# Altium PCB PCB1.PcbDoc (part 2 of 2)
Units mil, origin at the board's own origin, x right, y up, seen from the top; angles counter-clockwise.
Board outline 5905.51 x 3937.01 mil, 4 copper layers (Top Layer, Mid-Layer 1, Mid-Layer 2, Bottom Layer); 107 components, 61 nets, 305 pads, 217 vias.
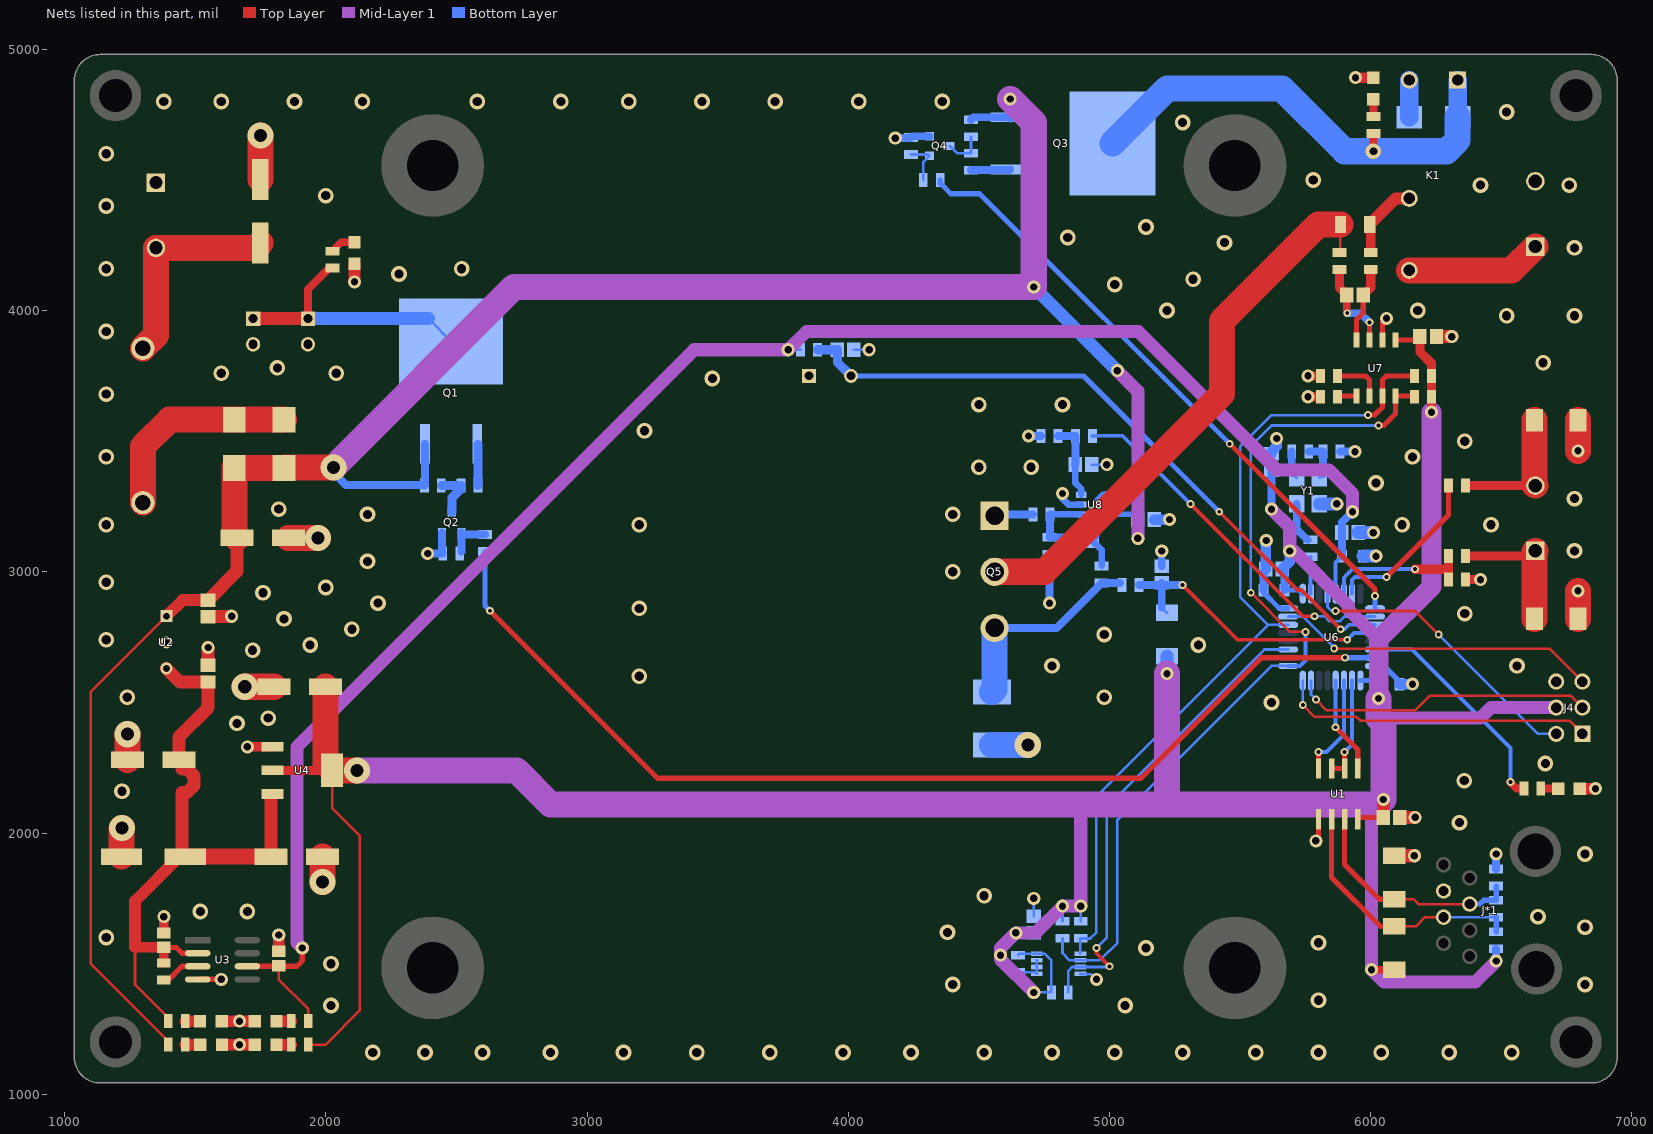
[diagram p4: the nets of this part, all layers, seen from the top]

## Via types
v1: diameter 60, hole 35, Top Layer to Bottom Layer, tented both sides, 118 vias
v2: diameter 50, hole 28, Top Layer to Bottom Layer, tented both sides, 60 vias
v3: diameter 30, hole 15, Top Layer to Bottom Layer, tented both sides, 29 vias
v4: diameter 100, hole 50, Top Layer to Bottom Layer, tented both sides, 9 vias
v5: diameter 60, hole 30, Top Layer to Bottom Layer, tented both sides, 1 vias

## Nets (pads, with @x,y where several pads share a name; then routed paths per layer and width w, separated by ;. In a path a pad name is that pad's centre, name@x,y a point inside that pad or via, vN(x,y) a via of type N, cw(c..) or ccw(c..) an arc to the next point about the centre after c; other vN are vias at no path point)
+3.3: C1.1 C11.2 C12.1 C13.1 C17.1 C18.1 C19.1 C21.2 D1.2 D?.2 J4.4 pad.8 R1.2 R7.2 R14.2 R17.2 R18.2 R19.2 R20.2 R27.2 R28.2 U1.8 U4.2 U4.4 U6.1 U6.17 U7.5 Y1.4 | length 13491.8
  Top Layer w10: R7.2@1932.48,1190 2000,1190 2130,1320 2130,1990 2024.17,2095.83 U4.4@2024.17,2240 U4.4@1998.43,2265.75 ; v4(2120,2240) v4@2130,2230 ; U1.8@5950,2052.95 U1.8@5957.05,2060 ; C21.2@6175.56,3887.28 C21.2@6188.28,3900
  Top Layer w20: U1.8@5957.05,2060 C1.1@6048.28,2060 ; U7.5@6095,3887.28 C21.2@6175.56,3887.28
  Top Layer w30: v2(6003.07,1476.93) D1.2@6090,1476.93
  Top Layer w34: U4.2@1795.83,2240 U4.4@2024.17,2240
  Top Layer w35: C21.2@6188.28,3900 6188.28,3841.72 6232.48,3797.52 R28.2@6232.48,3750 R27.2@6232.48,3670 v2(6232.48,3610.99)
  Top Layer w50: C1.1@6048.28,2060 v2(6048.28,2128.28)
  Top Layer w100: U4.4@1998.43,2265.75 C11.2@1998.43,2560 ; U4.4@2024.17,2240 v4(2120,2240)
  Mid-Layer 1 w50: v2(4710,1390) 4582.48,1517.52 v2(4582.48,1532.48) 4582.48,1559.03 v2(4641.72,1618.28) 4718.28,1618.28 v2(4820,1720) v2(4890,1720) 4890,2080 ; v2(5620,3240) 5690,3170 v2(5690,3080) 5705.71,3080 5915,2870.71 5915,2855 6030,2740 ; 6030,2440.71 6420.71,2440.71 6460,2480 J4.4@6710,2480 ; v2(6048.28,2128.28) 6018.28,2128.28 6003.07,2113.07 v2(6003.07,1476.93) 6050,1430 6400,1430 v2(6480,1510)
  Mid-Layer 1 w75: v2(6030,2515) 6030,2740 6232.48,2942.48 v2(6232.48,3610.99)
  Mid-Layer 1 w100: v4(2120,2240) 2730,2240 2860,2110 5220,2110 ; v2(5220,2610) 5220,2110 ; v2(6030,2515) 6030,2440.71 6048.28,2422.43 v2(6048.28,2128.28) 6030,2110 5220,2110
  Bottom Layer w10: v2(4641.72,1618.28) C13.1@4710,1618.28 ; R17.2@4650,1532.48 4655.91,1538.39 pad.8@4721.34,1538.39 4751.61,1538.39 4777.52,1512.48 R20.2@4777.52,1390 v2(4710,1390) ; R18.2@4820,1662.48 v2(4820,1720) ; R19.2@4890,1662.48 v2(4890,1720) ; Y1.4@5688.42,3388.28 5697.52,3379.17 Y1.4@5716.69,3360 ; C19.1@6015.98,2583.66 C19.1@6030,2569.65
  Bottom Layer w20: C18.1@5670.35,2930 5726.1,2930 U6.1@5739.76,2916.34 ; U6.17@5960.24,2583.66 C19.1@6015.98,2583.66
  Bottom Layer w30: v2(5620,3240) C12.1@5620,3388.28 Y1.4@5688.42,3388.28 ; C18.1@5670.35,2930 C17.1@5670.35,3010 ; Y1.4@5697.52,3379.17 R14.2@5697.52,3460 ; v2(6480,1510) R1.2@6480,1557.52
  Bottom Layer w35: v2(6030,2515) C19.1@6030,2569.65
  Bottom Layer w40: C17.1@5661.72,3010 5690,3038.28 v2(5690,3080)
  Bottom Layer w50: v2(5220,2610) D?.2@5220,2676.93
+5: C4.2 C5.2 C7.1 C8.2 C10.2 R4.2 R6.2 U2.3 U3.2 U4.3 | length 2652.7
  Top Layer w10: 1270.3,1562.44 1270,1562.74 1270,1420 1397.52,1292.48 R6.2@1397.52,1280 ; C4.2@1438.43,1933.62 C4.2@1462.05,1910 C4.2@1440,1910 ; U4.3@1790,2143.62 U4.3@1795.83,2149.45
  Top Layer w20: C8.2@1380,1562.44 1427.56,1562.44 1450,1540 U3.2@1510,1540
  Top Layer w35: R4.2@1380,1502.48 C8.2@1380,1562.44
  Top Layer w40: 1270.3,1562.44 C8.2@1380,1562.44
  Top Layer w45: 1270,1562.74 1270,1740 C4.2@1440,1910
  Top Layer w50: U2.3@1390,2630 1441.72,2578.28 C7.1@1550,2578.28 1550,2480 1438.43,2368.43 C5.2@1438.43,2280 1450,2268.43 1450,2245 1468.64,2245 1495,2218.64 1495,2181.36 1468.64,2155 1450,2155 1450,1922.05 C4.2@1462.05,1910 ; C10.2@1790,1910 U4.3@1790,2143.62
  Top Layer w60: C4.2@1462.05,1910 C10.2@1790,1910
+24: C3.2 C6.1 C22.1 D3.1 D4.1 Q1.3 Q3.3 R5.2 R9.2 R34.2 U2.1 U8.5 | length 8867.4
  Top Layer w10: U2.1@1390,2830 1100,2540 1100,1500 1397.52,1202.48 R5.2@1397.52,1190 ; D4.1@1840,3397.48 1857.48,3380 D4.1@1877.48,3400
  Top Layer w45: U2.1@1390,2830 1451.72,2891.72 C6.1@1550,2891.72
  Top Layer w50: C6.1@1550,2891.72 1660,3001.72 C3.2@1660,3130
  Top Layer w100: C3.2@1660,3130 1650,3140 D3.1@1650,3397.48 D4.1@1840,3397.48 ; D4.1@1842.52,3400 v4(2030,3400)
  Mid-Layer 1 w50: v2(5030,3770) 5108.28,3691.72 v2(5108.28,3128.28)
  Mid-Layer 1 w100: v4(2030,3400) 2720,4090 v2(4710,4090) 4710,4719.69 v2(4619.84,4809.84)
  Bottom Layer w10: v4@2030,3380 v4(2030,3400) ; C22.1@5088.28,3220 C22.1@5108.28,3200
  Bottom Layer w20: U8.5@5000,3220 C22.1@5088.28,3220
  Bottom Layer w30: v4@2030,3380 2077.52,3332.48 R9.2@2380,3332.48 ; R9.2@2377.52,3330 R9.2@2380,3332.48 ; Q1.3@2380,3490 R9.2@2380,3332.48 ; R34.2@4470,4730 4480,4740 Q3.3@4619.84,4740
  Bottom Layer w40: Q3.3@4619.84,4740 v2(4619.84,4809.84) ; v2(5108.28,3128.28) C22.1@5108.28,3200
  Bottom Layer w50: v2(4710,4090) v2(5030,3770)
BOOT0: J4.5 U6.31 | length 1230.7
  Top Layer w10: v3@5860.63,2705.63 6684.37,2705.63 J4.5@6810,2580
  Bottom Layer w10: U6.31@5683.66,2828.74 5741.26,2828.74 5860,2710 v3(5860,2706.26)
Current_sense: C25.1 D?.1 R42.1 U6.12 | length 1131.9
  Top Layer w15: v3(5280,2950) 5490,2740 v3(5910,2740)
  Bottom Layer w10: C25.1@5191.72,2950 C25.1@5200,2958.28 C25.1@5208.28,2950 ; D?.1@5200,2863.07 D?.1@5220,2843.07
  Bottom Layer w15: v3(5910,2740) 5935.75,2765.75 U6.12@6016.34,2765.75
  Bottom Layer w30: R42.1@5112.48,2950 C25.1@5191.72,2950 ; D?.1@5200,2863.07 C25.1@5200,2958.28 ; C25.1@5208.28,2950 v3(5280,2950)
Current_set: R39.2 U6.10 | length 1382.8
  Top Layer w15: v3(5310,3260) 5740,2830 v3(5785,2830)
  Bottom Layer w10: v3(5785,2830) 5822.34,2830 5841.01,2811.33 5882.61,2811.33 5900.02,2828.74 U6.10@6016.34,2828.74
  Bottom Layer w15: R39.2@4934.96,3520 4935.81,3520.85 5049.15,3520.85 v3(5310,3260)
Dir1: U1.2 U1.3 U6.18 | length 398.5
  Top Layer w20: U1.3@5850,2247.05 U1.2@5900,2247.05 v3(5900,2310)
  Bottom Layer w15: v3(5900,2310) 5928.74,2338.74 U6.18@5928.74,2583.66
ERROR_LED: R21.2 U6.14 | length 867
  Top Layer w30: v3(6534.45,2194.91) 6559.36,2170 R21.2@6586.18,2170
  Bottom Layer w15: U6.14@6016.34,2702.76 6157.24,2702.76 6534.45,2325.55 v3(6534.45,2194.91)
FAN1: R12.1 U6.15 | length 4078.3
  Top Layer w20: v3(2628.92,2851.08) 3270,2210 5120,2210 5581.26,2671.26 v3(5901.26,2671.26)
  Bottom Layer w20: R12.1@2610,3077.52 2610,2870 v3(2628.92,2851.08) ; v3(5901.26,2671.26) U6.15@6016.34,2671.26
GND: C1.2 C2.1 C3.1 C4.1 C5.1 C6.2 C7.2 C8.1 C9.1 C10.1 C11.1 C12.2 C13.2 C14.2 C15.2 C16.2 C17.2 C18.2 C19.2 C21.1 C22.2 C24.2 C25.2 D2.1 D5.2 D6.2 D7.2 DS1.2 DS2.2 DS3.2 DS4.2 DS5.2 DS6.2 DS7.2 J1.1 J2.2 J3.2 J4.6 J6.2 J*1.6 K1.2 pad.1@3849.29,3750 pad.4 Q2.2 Q4.2 R3.1 R13.1 R16.1 R29.1 R30.1 R33.2 R38.1 R43.1 R44.1 R45.1 U1.5 U2.2 U3.4 U4.1 U6.16 U6.32 U7.6 U8.2 Y1.2 | length 4485.3
  Top Layer w10: v2@1638.28,2828.28 v2(1640,2830) ; v2(1700,2330) v2@1700.55,2330.55
  Top Layer w20: U3.4@1510,1440 v2(1600,1440) ; v2(5790,1970) 5800,1980 U1.5@5800,2052.95 ; U7.6@6045,3887.28 6045,3955 v2(6060,3970)
  Top Layer w35: C8.1@1380,1617.56 v2(1380,1680) ; v2@1700.55,2330.55 U4.1@1795.83,2330.55 ; v2(5760,3670) R30.1@5807.52,3670 ; v2(5760,3750) R29.1@5807.52,3750 ; R33.2@6362.48,2970 v2(6420,2970)
  Top Layer w40: v2(5941.34,4891.34) DS7.2@6010,4891.34
  Top Layer w45: DS2.2@1601.34,1280 DS4.2@1728.66,1280 ; DS1.2@1602.68,1190 DS3.2@1728.66,1190 ; C9.1@1820,1547.56 v2(1820,1610) ; v2(2110,4110) DS5.2@2110,4178.66 ; DS6.2@6800,2170 v2(6860,2170)
  Top Layer w50: C7.2@1550,2641.72 v2(1550,2710) ; C6.2@1550,2828.28 v2@1638.28,2828.28 ; D2.1@6090,1913.07 v2(6166.93,1913.07) ; C1.2@6111.72,2060 v2(6170,2060) ; C21.1@6251.72,3900 v2(6310,3900)
  Top Layer w100: C4.1@1217.95,1910 1217.95,2017.95 v4(1220,2020) ; C5.1@1241.57,2280 v4(1241.57,2378.43) ; v4(1690,2560) C11.1@1801.57,2560 ; C2.1@1750,4502.05 v4(1750,4670) ; C3.1@1856.85,3130 v4(1970,3130) ; v4(1986.85,1813.15) C10.1@1986.85,1910 ; D5.2@6793.07,2820 v2(6793.07,2926.93) ; v2(6793.07,3463.07) D6.2@6793.07,3580
  Bottom Layer w10: Q2.2@2445.2,3150 Q2.2@2447.52,3147.68 ; C14.2@4021.72,3850 v2(4080,3850) ; R38.1@4237.52,4660 R38.1@4244.92,4667.4 ; C13.2@4710,1681.72 v2(4710,1750) ; pad.4@4888.66,1461.61 4890.28,1460 4930,1460 v2(4950,1440) ; C24.2@4931.72,3410 v2(4990,3410)
  Bottom Layer w20: C18.2@5589.65,2930 5589.65,2920.35 5649.76,2860.24 U6.32@5683.66,2860.24 ; C17.2@5589.65,3001.37 C17.2@5598.28,3010 ; v2@5598.28,3118.28 v2(5600,3120) ; U6.16@6016.34,2639.76 6050.24,2639.76 6110.35,2579.65 C19.2@6110.35,2570
  Bottom Layer w25: v2(4820,3300) 4820,3280 4842.6,3257.4 U8.2@4891.73,3257.4
  Bottom Layer w30: v2(2390,3070) R13.1@2447.52,3070 2445.2,3072.32 Q2.2@2445.2,3150 ; v2(4180,4660) R38.1@4237.52,4660 ; R38.1@4244.92,4667.4 Q4.2@4310.63,4667.4 ; v2(4690,3520) R43.1@4737.52,3520 ; v2(4770,2880) 4770,3020 R45.1@4770,3067.52 ; C25.2@5200,3021.72 v2(5200,3080) ; C18.2@5589.65,2930 C17.2@5589.65,3001.37 ; R16.1@5882.48,3460 v2(5940,3460) ; R3.1@6480,1862.48 v2(6480,1920)
  Bottom Layer w40: C22.2@5171.72,3200 v2(5230,3200) ; C17.2@5598.28,3010 v2@5598.28,3118.28 ; C12.2@5620,3451.72 5620,3460 5640,3480 v2(5640,3510) ; C19.2@6110.35,2570 v2(6160,2570)
  Bottom Layer w50: Y1.2@5803.31,3260 v2(5870,3260) ; C15.2@5951.72,3150 v2(6010,3150) ; C16.2@5970.35,3060 v2(6020,3060)
  Bottom Layer w70: D7.2@6147.48,4740 K1.2@6147.48,4882.2
  Bottom Layer w100: R44.1@4550,2337.24 v4(4687.24,2337.24)
  other v1: 2180,1160 2380,1160 2600,1160 2860,1160 3140,1160 3420,1160 3700,1160 3980,1160 4240,1160 4520,1160 4780,1160 5020,1160 5280,1160 5560,1160 5800,1160 6040,1160 6300,1160 6540,1160 2020,1340 5060,1340 5800,1360 4400,1420 6820,1420 2020,1500 5140,1560 5800,1580 1160,1600 4380,1620 6820,1640 6640,1680 1520,1700 1700,1700 4520,1760 6820,1920 6340,2040 1220,2160 6358.08,2200.52 6668.34,2266.38 1660,2420 1780,2440 5620,2500 1240,2520 4980,2520 3200,2600 4780,2640 6560,2640 1720,2700 1940,2720 5340,2720 1160,2740 4980,2760 2100,2780 1840,2820 6360,2840 3200,2860 2200,2880 1760,2920 2000,2940 1160,2960 4400,3000 2160,3040 6780,3080 1160,3180 3200,3180 6120,3180 6460,3180 2160,3220 4400,3220 1820,3240 6780,3280 6020,3340 4500,3400 4700,3400 1160,3440 6160,3440 6360,3500 3220,3540 4500,3640 4820,3640 1160,3680 3480,3740 1600,3760 2040,3760 1814.85,3780.56 6660,3800 1160,3920 6520,3980 6780,3980 5220,4000 6180,4000 5020,4100 5320,4120 2280,4140 1160,4160 2520,4160 6780,4240 5440,4260 4840,4280 5140,4320 1160,4400 2000,4440 6420,4480 6760,4480 5780,4500 1160,4600 5280,4720 6520,4760 1380,4800 1600,4800 1880,4800 2140,4800 2580,4800 2900,4800 3160,4800 3440,4800 3720,4800 4040,4800 4360,4800
  other v2: 1670,1190 1670,1280
GND_Sensing: R31.1 U6.7 | length 636.7
  Top Layer w20: v3(6060,2980) 6100,3020 6297.52,3217.52 R31.1@6297.52,3330
  Bottom Layer w15: U6.7@5928.74,2916.34 5928.74,2968.74 5940,2980 v3(6060,2980)
HSE_Clock: R15.2 U6.2 | length 141.7
  Bottom Layer w10: U6.2@5770,2917.6 U6.2@5771.26,2916.34
  Bottom Layer w15: U6.2@5770,2917.6 R15.2@5770,3057.52
Input_voltage: Q5.2 R24.2 R26.2 | length 2148
  Top Layer w10: R26.2@5880,4222.48 5883.9,4226.38 R24.2@5883.9,4330
  Top Layer w100: Q5.2@4560,3000 4750,3000 5430,3680 5430,3960 5800,4330 R24.2@5883.9,4330
LM75_OS: pad.3 R20.1 U6.27 | length 1837.9
  Top Layer w15: v3(4950,1560) 4950,1540 v3(5000,1490)
  Bottom Layer w10: R20.1@4842.48,1390 4842.48,1472.48 4857.2,1487.2 4997.2,1487.2 v3(5000,1490) ; v3(4950,1560) 4990,1600 4990,2100 5592.76,2702.76 U6.27@5683.66,2702.76
Main_output: J6.1 K1.4 | length 520.3
  Top Layer w100: K1.4@6147.48,4153.86 6538.86,4153.86 J6.1@6630,4245
NetC20_1: C20.1 R25.1 U7.8 | length 293
  Top Layer w20: U7.8@5945,3887.28 5945,3965 5971.72,3991.72 C20.1@5971.72,4060
  Top Layer w35: C20.1@5971.72,4060 6000,4088.28 R25.1@6000,4157.52
NetC20_2: C20.2 R26.1 U7.7 | length 347.2
  Top Layer w10: v3@5908.28,3991.72 v3(5910,3990)
  Top Layer w20: U7.7@5995,3887.28 v3(5995,3955)
  Top Layer w30: v3@5908.28,3991.72 C20.2@5908.28,4060
  Top Layer w35: R26.1@5880,4157.52 5880,4088.28 C20.2@5908.28,4060
  Bottom Layer w30: v3(5910,3990) 5960,3990 v3(5995,3955)
NetC23_1: C23.1 R40.2 R45.2 U8.1 | length 313
  Bottom Layer w10: R45.2@4770,3132.48 R45.2@4772.48,3134.96 ; C23.1@4857.52,3132.48 C23.1@4870,3120
  Bottom Layer w25: R40.2@4772.48,3220 U8.1@4891.73,3220
  Bottom Layer w30: R45.2@4770,3132.48 C23.1@4857.52,3132.48 ; R45.2@4772.48,3134.96 R40.2@4772.48,3220
NetC23_2: C23.2 R41.2 U8.4 | length 329.8
  Bottom Layer w25: R41.2@4970,3022.48 4970,3083.45 C23.2@4933.45,3120 4950,3136.55 4950,3270 4974.8,3294.8 U8.4@5000,3294.8
NetC24_1: C24.1 R39.1 R43.2 U8.3 | length 303.1
  Bottom Layer w25: C24.1@4868.28,3410 4868.28,3341.72 4891.73,3318.27 U8.3@4891.73,3294.8
  Bottom Layer w30: R43.2@4802.48,3520 R39.1@4870,3520 4870,3411.72 C24.1@4868.28,3410
NetD1_1: D1.1 J*1.4 R1.1 R2.2 U1.6 | length 1000.2
  Top Layer w10: D1.1@6090,1643.07 6173.07,1643.07 6208.16,1678.16 J*1.4@6278.81,1678.16
  Top Layer w15: 6036.93,1643.07 D1.1@6090,1643.07
  Top Layer w20: U1.6@5850,2052.95 5850,1830 6036.93,1643.07
  Bottom Layer w10: J*1.4@6278.81,1678.16 6279.45,1677.52 R2.2@6480,1677.52
  Bottom Layer w20: R1.1@6480,1622.48 R2.2@6480,1677.52
NetD2_2: D2.2 J*1.5 R2.1 R3.2 U1.7 | length 876.8
  Top Layer w10: D2.2@6090,1746.93 6163.07,1746.93 6181.84,1728.16 J*1.5@6378.81,1728.16
  Top Layer w20: U1.7@5900,2052.95 5900,1880 6033.07,1746.93 D2.2@6090,1746.93
  Bottom Layer w20: J*1.5@6378.81,1728.16 6418.16,1728.16 6432.48,1742.48 R2.1@6480,1742.48 R3.2@6480,1797.52
NetD3_2: D3.2 D4.2 XF1.2 | length 797.7
  Top Layer w100: XF1.2@1300,3264.72 1300,3480 1402.52,3582.52 D3.2@1650,3582.52 D4.2@1840,3582.52
NetD5_1: D5.1 J5.1 R32.1 | length 537.1
  Top Layer w10: J5.1@6610,3060 J5.1@6630,3080
  Top Layer w35: R32.1@6362.48,3060 J5.1@6610,3060
  Top Layer w100: D5.1@6626.93,2820 6626.93,3076.93 J5.1@6630,3080
NetD6_1: D6.1 J5.2 R31.2 | length 518.8
  Top Layer w35: R31.2@6362.48,3330 J5.2@6630,3330
  Top Layer w100: D6.1@6626.93,3580 6626.93,3333.07 J5.2@6630,3330
NetD7_1: D7.1 K1.1 Q3.2 R36.2 | length 1822.2
  Top Layer w30: v5(6010,4610) R36.2@6010,4677.52
  Bottom Layer w70: D7.1@6332.52,4740 K1.1@6332.52,4882.2
  Bottom Layer w100: Q3.2@5011.57,4640 5221.57,4850 5660,4850 5900,4610 v5(6010,4610) 6290,4610 6332.52,4652.52 D7.1@6332.52,4740
NetDS1_1: DS1.1 R5.1 | length 57.5
  Top Layer w45: R5.1@1462.48,1190 DS1.1@1520,1190
NetDS2_1: DS2.1 R6.1 | length 56.2
  Top Layer w45: R6.1@1462.48,1280 DS2.1@1518.66,1280
NetDS3_1: DS3.1 R7.1 | length 56.2
  Top Layer w45: DS3.1@1811.34,1190 R7.1@1867.52,1190
NetDS4_1: DS4.1 R8.1 | length 56.2
  Top Layer w45: DS4.1@1811.34,1280 R8.1@1867.52,1280
NetDS5_1: DS5.1 R11.1 | length 98.2
  Top Layer w30: R11.1@2025.79,4227.48 2059.65,4261.34 DS5.1@2110,4261.34
NetDS6_1: DS6.1 R21.1 | length 66.2
  Top Layer w30: R21.1@6651.14,2170 DS6.1@6717.32,2170
NetDS7_1: DS7.1 R36.1 | length 66.2
  Top Layer w30: R36.1@6010,4742.48 DS7.1@6010,4808.66
NetJ2_1: J2.1 J3.1 Q1.2 R11.2 | length 1034.4
  Top Layer w10: R11.2@2012.52,4162.52 R11.2@2025.79,4162.52
  Top Layer w30: J2.1@1931.81,3969.21 1931.81,4081.81 R11.2@2012.52,4162.52
  Top Layer w50: J3.1@1721.81,3969.21 J2.1@1931.81,3969.21
  Bottom Layer w10: Q1.2@2392.52,3969.21 Q1.2@2480,3881.73
  Bottom Layer w50: J2.1@1931.81,3969.21 Q1.2@2392.52,3969.21
NetQ1_1: Q1.1 R10.2 | length 161
  Bottom Layer w10: Q1.1@2580,3490 Q1.1@2582.48,3487.52
  Bottom Layer w35: R10.2@2582.48,3330 Q1.1@2582.48,3487.52
NetQ2_1: Q2.1 R12.2 R13.2 | length 176.2
  Bottom Layer w10: R13.2@2512.48,3070 R13.2@2520,3077.52 ; Q2.1@2520,3150 Q2.1@2527.52,3142.48
  Bottom Layer w30: R13.2@2520,3077.52 Q2.1@2520,3150 ; Q2.1@2527.52,3142.48 R12.2@2610,3142.48
NetQ2_3: Q2.3 R9.1 R10.1 | length 190.8
  Bottom Layer w35: R9.1@2442.48,3330 R10.1@2517.52,3330 2517.52,3317.52 2482.6,3282.6 Q2.3@2482.6,3228.74
NetQ3_1: Q3.1 R35.2 | length 154.4
  Bottom Layer w10: R35.2@4470,4537.52 R35.2@4472.48,4540
  Bottom Layer w30: R35.2@4470,4537.52 4617.36,4537.52 Q3.1@4619.84,4540
NetQ4_1: Q4.1 R37.2 R38.2 | length 174.8
  Bottom Layer w10: R38.2@4240,4597.52 4305.71,4597.52 Q4.1@4310.63,4592.6 4287.52,4569.49 R37.2@4287.52,4500
NetQ4_3: Q4.3 R34.1 R35.1 | length 154.6
  Bottom Layer w10: Q4.3@4389.37,4630 4416.89,4602.48 R35.1@4470,4602.48 R34.1@4470,4665.04
NetQ5_1: Q5.1 R40.1 | length 149.6
  Bottom Layer w10: Q5.1@4560,3214.96 Q5.1@4565.04,3220
  Bottom Layer w30: Q5.1@4565.04,3220 R40.1@4707.52,3220
NetQ5_3: Q5.3 R41.1 R42.2 R44.2 | length 811.3
  Bottom Layer w10: R42.2@5040,2957.52 R42.2@5047.52,2950
  Bottom Layer w30: Q5.3@4560,2785.04 4797.52,2785.04 R41.1@4970,2957.52 R42.2@5040,2957.52
  Bottom Layer w100: R44.2@4550,2540 4560,2550 Q5.3@4560,2785.04
NetR4_1: R4.1 U3.3 | length 151.7
  Top Layer w10: R4.1@1380,1437.52 R4.1@1397.52,1437.52
  Top Layer w20: R4.1@1397.52,1437.52 1450,1490 U3.3@1510,1490
NetR14_1: R14.1 R16.2 Y1.1 | length 160.9
  Bottom Layer w10: Y1.1@5803.31,3360 Y1.1@5817.52,3374.21
  Bottom Layer w30: R14.1@5762.48,3460 R16.2@5817.52,3460 Y1.1@5817.52,3374.21
NetR15_1: R15.1 Y1.3 | length 166.9
  Bottom Layer w10: R15.1@5757.52,3122.48 R15.1@5770,3122.48
  Bottom Layer w30: Y1.3@5716.69,3260 5716.69,3163.31 R15.1@5757.52,3122.48
NetR17_1: pad.5 pad.6 pad.7 R17.1 | length 125
  Bottom Layer w10: R17.1@4650,1467.52 4715.43,1467.52 pad.5@4721.34,1461.61 pad.6@4721.34,1487.2 pad.7@4721.34,1512.8
NetR29_2: R29.2 U7.2 | length 191
  Top Layer w20: R29.2@5872.48,3750 5980,3750 5995,3735 U7.2@5995,3672.72
NetR30_2: R30.2 U7.1 | length 73.6
  Top Layer w10: R30.2@5872.48,3670 R30.2@5875.2,3672.72
  Top Layer w20: R30.2@5875.2,3672.72 U7.1@5945,3672.72
NRST: J4.2 U6.4 | length 1127.5
  Top Layer w10: v3(5865,2850) 6170,2850 v3(6260,2760)
  Bottom Layer w10: U6.4@5834.25,2916.34 5834.25,2865.75 5850,2850 v3(5865,2850) ; v3(6260,2760) 6640,2380 J4.2@6710,2380
Out_voltage: K1.3 R24.1 R25.2 | length 301.7
  Top Layer w10: R24.1@5996.1,4330 R24.1@6000,4326.1
  Top Layer w35: R25.2@6000,4222.48 R24.1@6000,4326.1
  Top Layer w45: R24.1@5996.1,4330 6095.55,4429.45 K1.3@6147.48,4429.45
Output_ON: R37.1 U6.9 | length 2393.4
  Top Layer w20: v3(5460,3490) 6016.34,2933.66 v3(6016.34,2907.89)
  Bottom Layer w20: R37.1@4352.48,4500 4352.48,4487.52 4392.6,4447.4 4502.6,4447.4 v3(5460,3490) ; U6.9@6016.34,2860.24 v3(6016.34,2907.89)
Rx1: U1.1 U6.20 | length 372.1
  Top Layer w20: v3(5865,2405) 5950,2320 U1.1@5950,2247.05
  Bottom Layer w10: v3(5865,2405) v3@5865.75,2405.75
  Bottom Layer w15: v3@5865.75,2405.75 U6.20@5865.75,2583.66
SCL: pad.2@4888.66,1512.8 R18.1 R27.1 U6.25 U7.4 | length 3446.6
  Top Layer w10: v3(5540.91,2920) 5690.91,2770 v3(5750,2770) ; U7.4@6090,3667.72 U7.4@6095,3672.72 ; R27.1@6164.8,3672.72 R27.1@6167.52,3670
  Top Layer w20: v3(6030,3560) 6050,3560 6095,3605 U7.4@6095,3672.72 R27.1@6164.8,3672.72
  Bottom Layer w10: R18.1@4820,1597.52 4820,1540 4847.2,1512.8 pad.2@4888.66,1512.8 4962.05,1512.8 4969.25,1520 4970,1520 5030,1580 5030,2050 5619.76,2639.76 U6.25@5683.66,2639.76 ; v3(5540.91,2920) 5540,2920 5540,3480 5620,3560 v3(6030,3560)
  Bottom Layer w15: U6.25@5683.66,2639.76 5729.76,2639.76 5750,2660 v3(5750,2770)
SDA: pad.1@4888.66,1538.39 R19.1 R28.1 U6.30 U7.3 | length 3222.9
  Top Layer w20: v3(5990,3600) 6015,3600 6045,3630 U7.3@6045,3672.72 6045,3735 6060,3750 R28.1@6167.52,3750
  Bottom Layer w10: pad.1@4888.66,1538.39 4888.66,1596.18 4926.18,1596.18 4950,1620 4950,2140 5607.24,2797.24 ; U6.30@5683.66,2797.24 5607.24,2797.24 ; v3(5990,3600) 5620,3600 5500,3480 5500,2904.49 5607.24,2797.24
SWCLK: J4.1 U6.24 | length 1209.3
  Top Layer w10: v3(5740,2490) 5785,2445 5945,2445 5960,2430 6760,2430 J4.1@6810,2380
  Bottom Layer w10: U6.24@5739.76,2583.66 5740,2583.43 v3(5740,2490)
SWDIO: J4.3 U6.23 | length 1159.6
  Top Layer w10: v3(5790,2510.91) 5830.91,2470 6170,2470 6225.91,2525.91 6729.01,2525.91 6764.09,2525.91 J4.3@6810,2480
  Bottom Layer w10: U6.23@5771.26,2583.66 5771.26,2529.65 v3(5790,2510.91)
Thermistor: C14.1 pad.2@4010.71,3750 R22.1 U6.11 | length 2612.1
  Top Layer w15: v3(5420,3230) 5720,2930 5735,2930 5870.75,2794.25 v3(5885,2780)
  Bottom Layer w15: v3(5885,2780) 5900,2780 5917.24,2797.24 U6.11@6016.34,2797.24
  Bottom Layer w20: pad.2@4010.71,3750 4900,3750 v3(5420,3230)
  Bottom Layer w35: R22.1@3882.48,3850 C14.1@3958.28,3850 3958.28,3802.43 pad.2@4010.71,3750
Tx1: U1.4 U6.19 | length 394.5
  Top Layer w20: U1.4@5800,2247.05 v3(5800,2310)
  Bottom Layer w15: v3(5800,2310) 5830,2310 5897.24,2377.24 U6.19@5897.24,2583.66
VDDA: C9.2 C15.1 C16.1 R8.2 R22.2 U3.6 U6.5 | length 6716.4
  Top Layer w10: C9.2@1820,1490 1820,1440 1932.48,1327.52 R8.2@1932.48,1280
  Top Layer w20: U3.6@1700,1490 1820,1490 1890,1490 1910,1510 v2(1910,1560)
  Mid-Layer 1 w50: v2(1910,1560) 1890,1580 1890,2330 3410,3850 v2(3770,3850) 3840,3920 5110,3920 5640,3390 5840,3390 5930,3300 v2(5930,3230)
  Bottom Layer w10: v2(3770,3850) R22.2@3817.52,3850
  Bottom Layer w15: U6.5@5865.75,2916.34 5865.75,3036.1 C16.1@5889.65,3060
  Bottom Layer w30: C16.1@5889.65,3060 5889.65,3189.65 v2(5930,3230)
Vin24V: C2.2 J1.2 XF1.1 | length 812.9
  Top Layer w100: XF1.1@1300,3855.28 1350,3905.28 J1.2@1350,4240 1732.05,4240 C2.2@1750,4257.95
Vout_Sensing: R32.2 R33.1 U6.6 | length 564.7
  Top Layer w35: v3(6169.98,3010) 6297.52,3010 ; R33.1@6297.52,2970 6297.52,3010 ; R32.2@6297.52,3060 6297.52,3010
  Bottom Layer w15: U6.6@5897.24,2916.34 5897.24,2977.24 5907.93,2987.93 5919.31,2999.31 5930,3010 v3(6169.98,3010)
pads on no net: J*1.1 J*1.2 J*1.3 J*1.7 J*1.8 J*1.MNT2 J*1.MTN1 LGA1700.0 U3.1 U3.5 U3.7 U3.8 U6.3 U6.8 U6.13 U6.21 U6.22 U6.26 U6.28 U6.29

## Polygon pours and split planes (outlines as drawn)
GND on Mid-Layer 1 "GND_L02_P002" (solid, remove dead copper, pour order 2): 1090.97,4924.43 6878.37,4924.43 6878.37,1085.84 1090.97,1085.84
+3.3 on Mid-Layer 1 "NONET_L02_P-001" (solid, pour order 1): 2100,2320 2060,2280 2060,2030 2200,1890 4810,1890 4810,1750 4710,1650 4620,1650 4540,1570 4540,1500 4690,1350 4750,1350 4860,1460 4860,1560 5360,2060 5850,2060 5900,2010 5900,1490 6030,1360 6420,1360 6510,1450 6510,1520 6490,1540 6470,1540 6390,1460 6190,1460 6080,1570 6080,2070 6420,2410 6430,2410 6470,2450 6710,2450 6710,2510 6120,2510 6070,2560 6070,2710 6290,2930 6290,3640 6270,3660 6210,3660 6200,3650 6200,2990 6080,2870 5990,2870 5820,3040 5820,3120 5650,3290 5590,3290 5570,3270 5570,3250 5660,3160 5660,3090 5970,2780 5970,2280 5930,2240 5720,2240 5285,2675 5175,2675 4793.81,2240 4460,2240 4350,2320
GND on Top Layer "GND_L01_P016" (solid, remove dead copper, pour order 16): 1090.97,4924.43 6878.37,4924.43 6878.37,1085.84 1090.97,1085.84
+5 on Top Layer "NONET_L02_P-001" (solid, pour order 14): 1410,2660 1370,2660 1350,2640 1350,2460 1370,2440 1370,1890 1240,1760 1240,1540 1290,1490 1400,1490 1400,1580 1340,1580 1300,1620 1300,1700 1430,1830 1840,1830 1860,1850 1860,2140 1840,2160 1680,2160 1580,2260 1580,2600 1470,2600
+24 on Top Layer "NONET_L02_P-001" (solid, pour order 13): 2080,3350 2080,3450 1590,3450 1410,3270 1410,2910 1360,2860 1360,2810 1420,2810 1420,2830 1470,2880 1590,2880 1720,3010 1720,3260 1810,3350
Vin24V on Top Layer "NONET_L02_P-001" (solid, pour order 10): 1810,4340 1810,4170 1700,4170 1330,3800 1270,3800 1230,3840 1230,4280 1290,4340
Main_output on Top Layer "NONET_L02_P-001" (solid, pour order 6): 6140,4210 6090,4170 6090,4130 6120,4100 6660,4100 6700,4140 6700,4290 6670,4320 6250,4320 6170,4240
Out_voltage on Top Layer "NONET_L02_P-001" (solid, pour order 5): 5970,4210 6070,4210 6190,4330 6190,4460 6180,4470 6050,4470 5970,4390
Input_voltage on Top Layer "NONET_L02_P-001" (solid, pour order 4): 5910,4210 5940,4240 5940,4380 5920,4400 5770,4400 5120,3750 5120,3470 4720,3070 4520,3070 4490,3040 4490,2960 4520,2930 4810,2930 5770,3890 5770,4170 5810,4210
NetQ5_3 on Bottom Layer "NONET_L02_P-001" (solid, pour order 15): 4460,2840 4460,2490 4650,2490 4650,2840
NetQ4_3 on Bottom Layer "NONET_L02_P-001" (solid, pour order 12): 4500,4585 4390,4585 4370,4605 4370,4655 4395,4680 4500,4680
NetQ4_1 on Bottom Layer "NONET_L02_P-001" (solid, pour order 11): 4210,4615 4330,4615 4330,4570 4305,4545 4305,4470 4245,4470 4210,4505
NetQ2_3 on Bottom Layer "NONET_L02_P-001" (solid, pour order 7): 2430,3350 2430,3210 2530,3210 2530,3350
GND on Mid-Layer 2 "GND_L03_P000" (solid, pour order 0): 1090.97,4924.43 6878.37,4924.43 6878.37,1085.84 1090.97,1085.84

## Silkscreen, mask and mechanical layers (free items; w line width, h text height)
Top Overlay:
  text "GND" at 6540,4660.87 h80
  text "GND" at 1405,4650.87 h80
  text "Vout" at 6550.07,4040.8 h80
  text "+24V" at 1610,4020 h80 r90
  text "GND sense" at 6560,3540 h80 r90
  text "1A FUSE" at 1526.78,3290.39 h65 r270
  text "Vout sense" at 6500,2700 h80 r90
  text "GND" at 6390,2570.43 h40
  text "BOOT0" at 6510,2565.43 h40
  text "+3.3" at 6400,2470.43 h40
  text "SWDIO" at 6510,2470.43 h40
  text "NRST" at 6380,2370.43 h40
  text "SWCLK" at 6510,2370.43 h40
  text "+5" at 1310,1310.54 h50
  text "Vdda" at 1980.04,1260.5 h50
  text "+3.3" at 1840,1100.54 h50
  text "+24" at 1400,1100 h50
Bottom Overlay:
  circle w9.84: c4867,1565 r4.92
  lines w7.87: 4759.72,1438.98 4850.28,1438.98 4850.28,1561.02 4759.72,1561.02 4759.72,1438.98
  text "DC/DC Converter Tester" at 4180,2171.79 h150
  text "DC LOAD" at 4070,1880 h250
  text "v1.0" at 2719.92,1765.58 h100
  text "Designed by:" at 4020,1617.58 h100
  text "Krzysztof Sikora" at 3890,1451.11 h120
Mechanical 1:
  lines w10: 3385.2,2518.98 ccw(c3444.17,2518.98) 3444.17,2460 4240,2460 ccw(c4240,2530) 4310,2530 4310,3520 ccw(c4250,3520) 4250,3580 3466.2,3584.49 ccw(c3466.2,3503.49) 3385.2,3503.49 3385.2,2518.98
  lines w47.24: 1037.73,1141.71 ccw(c1136.15,1141.71) 1136.15,1043.28 6844.81,1043.28 ccw(c6844.81,1141.71) 6943.24,1141.71 6943.24,4881.86 ccw(c6844.81,4881.86) 6844.81,4980.29 1136.15,4980.29 ccw(c1136.15,4881.86) 1037.73,4881.86 1037.73,1141.71
  text "CUTOUT" at 3670,2970.43 h40
  text ".Designator" at 4860,1490 h40
Bottom Assembly:
  lines w7.87: 3754.8,3657.48 4105.2,3657.48 4105.2,3842.52 3754.8,3842.52 3754.8,3657.48
  text ".Designator" at 3930,3749.92 h40 r180
Bottom Courtyard:
  lines w1.97: 4694.76,1435.04 4915.24,1435.04 4915.24,1564.96 4694.76,1564.96 4694.76,1435.04
  lines w3.94: 4785.31,1500 4824.69,1500 ; 4805,1480.31 4805,1519.68
  lines w7.87: 3754.8,3657.48 4105.2,3657.48 4105.2,3842.52 3754.8,3842.52 3754.8,3657.48
Bottom 3D Body:
  lines w3.94: 4743.98,1438.98 4866.02,1438.98 4866.02,1561.02 4743.98,1561.02 4743.98,1438.98
  lines w7.87: 3758.74,3661.42 4101.26,3661.42 4101.26,3838.58 3758.74,3838.58 3758.74,3661.42
Bottom Component Center:
  lines w3.94: 3910.32,3750 3949.68,3750 ; 3930,3730.32 3930,3769.68